# Altium PCB EBAZ4205.PcbDoc (part 5 of 6)
Units mm, origin at the board's own origin, x right, y up, seen from the top; angles counter-clockwise.
Board outline 100.3 x 97 mm, 4 copper layers (Top Layer, MidLayer1, MidLayer2, Bottom Layer); 565 components, 392 nets, 1912 pads, 1242 vias.
Unrouted connection lines stored in the file: 7.
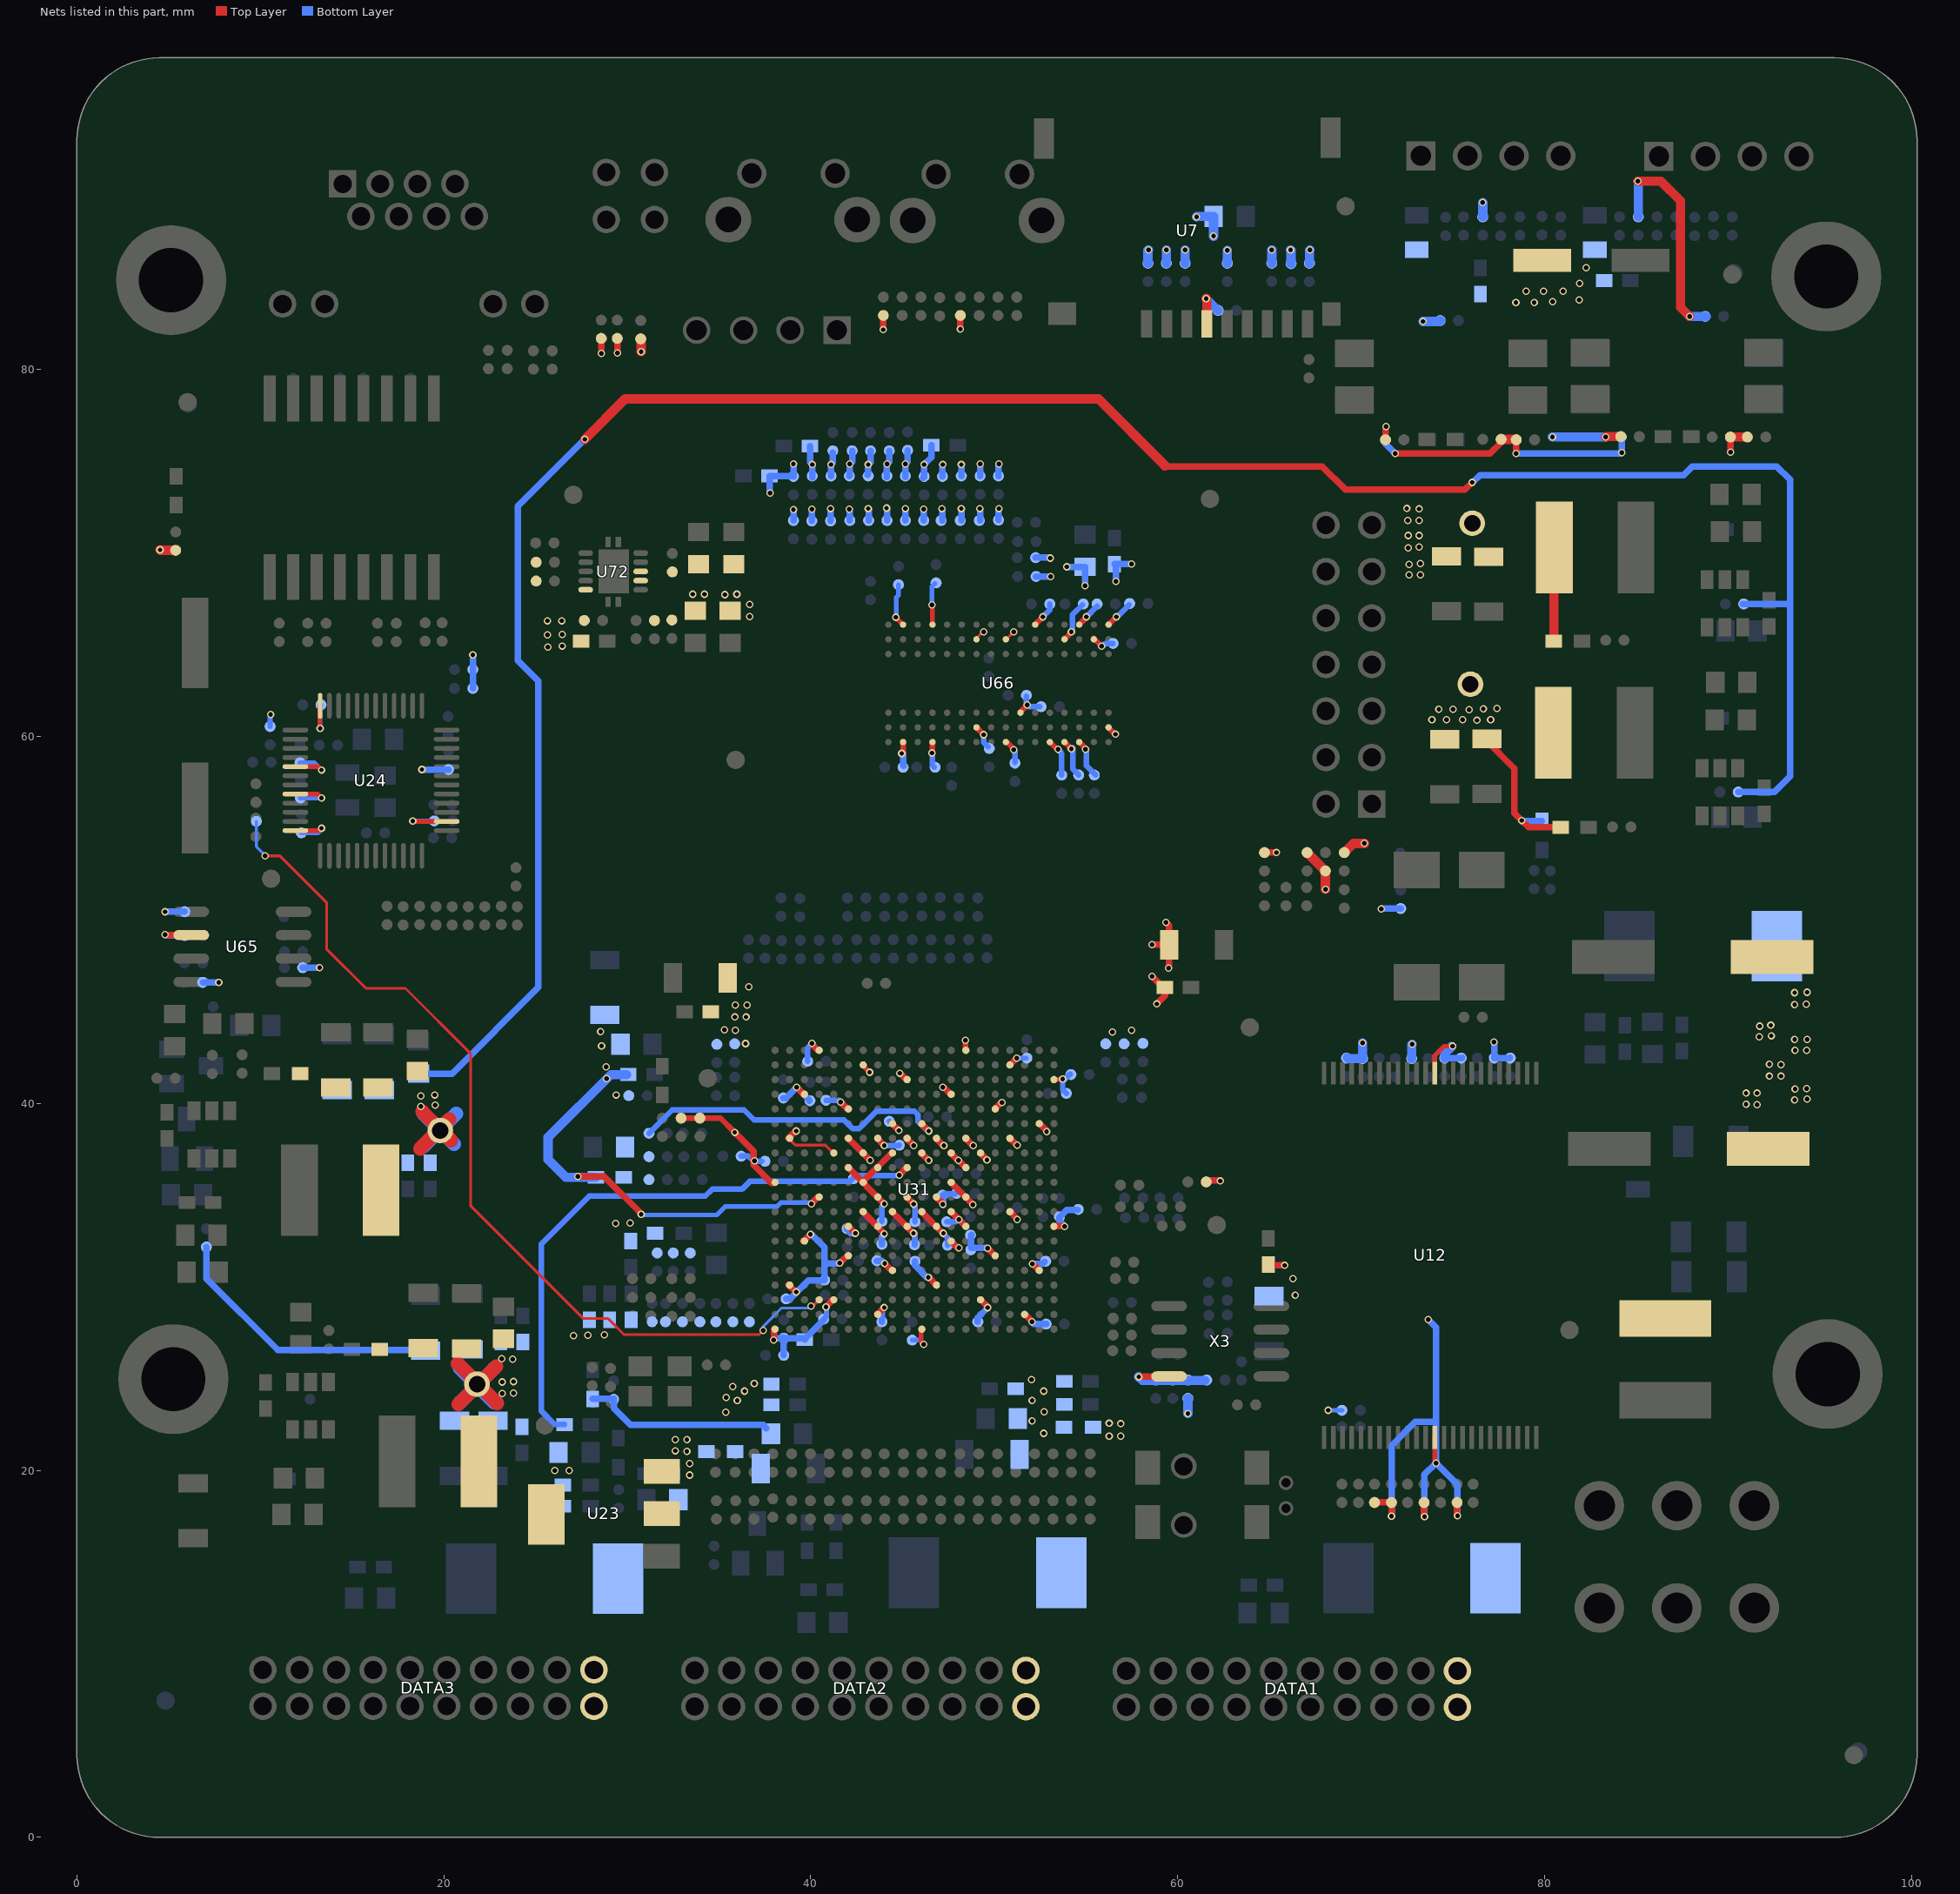
[diagram p7: the nets of this part, all layers, seen from the top]

## Via types
v1: diameter 0.406, hole 0.254, Top Layer to Bottom Layer, 1172 vias
v2: diameter 0.406, hole 0.254, Top Layer to Bottom Layer, tented both sides, 70 vias

## Nets (pads, with @x,y where several pads share a name; then routed paths per layer and width w, separated by ;. In a path a pad name is that pad's centre, name@x,y a point inside that pad or via, vN(x,y) a via of type N, cw(c..) or ccw(c..) an arc to the next point about the centre after c; other vN are vias at no path point) (continued)
VCC: C93.2 C94.2 C147.1 C289.2 C290.2 C367.1 C369.1 C370.1 C374.1 C379A.2 C665.1 C666.2 C667.1 C668.2 C669.2 C670.1 C671.2 C672.2 C673.1 C674.2 C845.2 C846.2 C1887.1 C2343.2 C2394.1 C2398.1 FB15.1 FB16.2 L7.1 L113.1 R36.2 R38.2 R45.1 R46.1 R47.1 R160.2 R161.2 R162.2 R163.2 R164.2 R165.2 R166.2 R245.1 R247.1 R1279.1 R1333.1 R1344.2 R1358.2 R1359.2 R1360.2 R1361.2 R1379.1 R1408.1 R1500.2 R1502.2 R1503.2 R1507.2 R1948.1 R1950.1 R1995.2 R2336.2 R2391.1 R2430.2 R2432.2 R2460.2 R2469.1 R2470.1 R2539.1 R2546.1 R2548.1 R2551.1 R2577.2 R2578.1 R2579.2 R2580.2 R2581.1 R2582.2 R2583.2 R2602.1 R2617.1 R2619.1 R2641A.1 R2647.1 R3555.1 TP1.1 U7.4 U12.12 U12.37 U23.3 U24.14 U24.36 U24.41 U24.44 U24.48 U31.A13 U31.B6 U31.B16 U31.D7 U31.D12 U31.E15 U31.M6 U31.T8 U31.U11 U31.W7 U31.Y10 U65.2 U72.10 | length 151.6
  Top Layer w0.152: U31.W7@38.785,38.113 39.168,37.731 40.806,37.731 U31.T8@41.206,37.331
  Top Layer w0.254: U24.48@11.881,54.881 13.206,54.881 v1(13.331,55.006) ; U24.44@11.881,56.871 13.115,56.871 v1(13.331,56.656) ; U24.41@11.881,58.365 13.147,58.365 v1(13.331,58.181) ; U24.36@13.231,61.681 13.231,60.481 v1(13.256,60.456) ; v1(18.306,55.406) 18.333,55.378 U24.14@20.131,55.378 ; U12.37@74.02,21.806 74.02,20.466 v1(74.081,20.406) ; U12.12@74.02,41.656 74.02,42.62 74.531,43.131 v1(74.981,43.131)
  Top Layer w0.305: R1500.2@32.931,39.206 35.081,39.206 v1(35.856,38.431)
  Top Layer w0.356: v1(4.806,49.206) 4.831,49.181 U65.2@6.231,49.181 ; v2(27.306,36.031) 28.731,36.031 30.756,34.006 v1(30.756,33.956) ; v1(28.581,80.881) R45.1@28.581,81.706 ; v1(29.456,80.906) R46.1@29.456,81.706 ; v1(35.856,38.431) 36.881,37.406 36.881,36.656 37.856,35.681 U31.Y10@38.031,35.681 ; U31.W7@38.785,38.113 39.177,38.506 v1(39.206,38.506) ; v1@40.056,34.531 40.056,34.582 U31.U11@40.393,34.919 ; v1(43.956,82.181) R2647.1@43.956,82.956 ; U31.M6@44.412,38.912 44.794,38.531 v1(44.806,38.531) ; v1(48.156,82.206) R2641A.1@48.156,82.956 ; v1@49.656,32.081 50.012,31.724 U31.E15@50.04,31.724 ; U31.D12@50.844,34.12 51.256,33.708 v1@51.256,33.706 ; U31.D7@50.844,38.113 51.252,37.706 v1@51.256,37.706 ; v1@52.081,31.281 52.436,30.925 U31.B16@52.452,30.925 ; U31.B6@52.452,38.912 52.831,38.533 v1@52.831,38.531 ; U31.A13@53.256,33.321 53.822,33.321 53.831,33.331 53.833,33.328 v1(53.833,33.307) ; R2430.2@61.556,35.806 62.306,35.806 v1(62.331,35.781) ; R36.2@64.731,53.681 v1(65.381,53.681) ; C670.1@64.931,31.231 64.981,31.181 v1(65.831,31.181) ; R2581.1@70.731,18.256 R2578.1@71.706,18.256 ; R2548.1@71.331,76.181 71.331,76.881 v1(71.356,76.906) ; v1(71.656,17.506) R2578.1@71.656,18.256 ; R247.1@73.431,18.256 73.431,17.506 v1(73.456,17.481) ; R245.1@75.231,18.256 75.231,17.556 v1(75.256,17.531) ; C289.2@76.731,59.881 78.356,58.256 78.356,55.831 v1(78.756,55.431) 79.131,55.056 R1333.1@80.881,55.056
  Top Layer w0.508: v1(4.531,70.181) 4.556,70.156 R47.1@5.381,70.156 ; v1(30.756,80.981) R1379.1@30.756,81.631 ; v1(61.556,83.881) 61.596,83.84 U7.4@61.596,82.506 ; R1507.2@67.056,53.681 R2602.1@68.056,52.681 v1(68.056,51.681) ; R38.2@69.081,53.681 69.581,54.181 v1(70.181,54.181) ; v1(83.331,76.331) 83.356,76.356 R2546.1@84.156,76.356 ; v1(85.081,90.281) 86.331,90.281 87.406,89.206 87.406,83.406 v1(87.906,82.906)
  Bottom Layer w0.254: C369.1@12.156,58.581 12.931,58.581 v1(13.331,58.181) ; C370.1@12.181,56.656 13.356,56.656 v1@13.381,56.681 ; C374.1@12.231,54.756 13.131,54.756 v1@13.281,54.906 ; v1(13.256,60.456) 13.256,61.681 C367.1@13.306,61.731 ; v1(18.306,55.406) C379A.2@19.456,55.406 ; v1@30.731,33.931 34.881,33.931 35.337,34.387 38.162,34.387 38.381,34.606 39.931,34.606 v1@40.056,34.481 ; v1(68.206,23.281) R2577.2@68.956,23.281
  Bottom Layer w0.305: R1995.2@10.531,60.556 10.531,61.181 v1(10.556,61.206) ; C667.1@36.206,37.131 36.606,37.131 36.881,36.856 C668.2@37.331,36.856 ; R1502.2@44.281,39.031 44.306,39.031 v1(44.806,38.531)
  Bottom Layer w0.356: v1(4.806,49.206) 4.856,49.156 C1887.1@5.881,49.156 ; v1(4.806,50.456) R2336.2@5.881,50.456 ; R1948.1@6.856,46.606 v1(7.731,46.606) ; R1950.1@12.306,47.406 v1(13.231,47.406) ; v1(18.806,58.206) R1408.1@20.256,58.206 ; R2470.1@21.581,62.631 v1(21.581,64.456) ; R2539.1@48.756,32.856 48.731,32.831 48.731,32.131 49.556,32.131 49.606,32.081 v1(49.633,32.107) ; v1(52.081,31.256) 52.631,31.256 C674.2@52.756,31.381 ; v1(53.833,33.307) 53.833,33.328 53.556,33.606 53.556,33.806 53.956,34.206 C671.2@54.556,34.206 ; v1(71.106,50.606) 71.131,50.631 R2391.1@72.156,50.631 ; v1(71.656,17.506) 71.656,21.356 72.956,22.656 73.981,22.656 ; v1(73.456,17.481) 73.456,19.781 v1(74.081,20.406) 74.081,27.806 v1(73.656,28.231) ; v1@74.131,20.356 75.256,19.231 v1(75.256,17.531) ; R2582.2@74.556,42.481 75.481,42.481 R1359.2@75.506,42.506 ; v1(77.231,43.356) 77.256,43.331 R2583.2@77.256,42.481 78.081,42.481 R1358.2@78.106,42.506 ; v1(78.756,55.431) 78.781,55.406 L113.1@79.856,55.406
  Bottom Layer w0.508: R2460.2@28.281,35.981 26.656,35.981 25.681,36.956 25.681,38.156 29.106,41.581 C666.2@29.956,41.581 ; R165.2@58.381,85.806 58.381,86.506 v1(58.406,86.531) ; R164.2@59.381,85.806 v1(59.381,86.531) ; R163.2@60.406,85.806 v1(60.406,86.531) ; v1(60.556,23.106) R1279.1@60.556,23.931 ; v1(61.031,88.331) 61.056,88.356 C93.2@61.956,88.356 v1(61.956,87.281) ; v1@61.581,83.831 62.181,83.231 C94.2@62.206,83.231 ; R162.2@62.706,85.806 v1(62.706,86.506) ; R161.2@65.131,85.806 v1(65.131,86.531) ; v1(66.156,86.531) 66.181,86.506 R160.2@66.181,85.781 ; R166.2@67.181,85.806 67.181,86.506 v1(67.206,86.531) ; R1360.2@69.256,42.506 69.306,42.456 R2579.2@70.081,42.456 v1(70.081,43.306) ; R2580.2@72.756,42.456 72.756,43.206 v1(72.781,43.231) ; v1(73.381,82.631) 74.256,82.631 R3555.1@74.306,82.681 ; R2582.2@74.556,42.481 74.556,42.731 v1@74.931,43.106 ; R1361.2@76.631,88.331 v1(76.631,89.106) ; v1(80.431,76.331) v1(83.331,76.331) ; v1(85.081,90.281) 85.106,90.256 R1344.2@85.106,88.331 ; v1(87.906,82.906) 88.781,82.906 R2551.1@88.806,82.881
  other v1: 33.397,19.75 33.397,20.375 33.247,21.049 32.622,21.074 32.622,21.674 33.247,21.674 56.266,21.874 56.891,21.874 56.891,22.549 56.266,22.574 66.413,29.547 66.289,30.447 51.256,33.681 40.031,34.531 51.258,37.733 52.856,38.474 29.398,40.47 28.873,41.369 28.848,41.994 28.598,43.144 28.548,43.919 76.311,60.889 73.862,60.914 74.661,60.914 75.536,60.914 77.061,60.914 75.886,61.464 74.236,61.489 75.011,61.489 76.661,61.514 77.411,61.539 25.674,64.888 26.449,64.938 25.649,65.538 26.449,65.563 25.649,66.313 26.424,66.313
  other v2: 36.931,36.881
VCC1: C2395.1 C2401.1 C2402.2 C2403.1 C2404.1 C2405.1 C2406.1 C2407.1 C2408.1 C2409.1 R2618.1 R2621.2 R2622.2 R2623.2 R2624.2 R2625.2 R2626.2 R2627.2 R2628.2 R2629.2 R2630.2 R2631.2 R2632.2 R2633.2 R2634.2 R2635.2 R2636.2 R2637.2 R2638.2 R2639.2 R2640.2 R2641.2 R2642.2 R2643.2 R2644.2 U72.3 | length 24.1
  Bottom Layer w0.356: v1(37.781,73.281) 37.756,73.306 C2404.1@37.756,74.206 39.031,74.206 R2629.2@39.056,74.181 v1(39.056,74.856) ; R2627.2@39.056,71.781 v1(39.056,72.381) ; C2403.1@39.956,75.831 39.956,74.956 v1(40.081,74.831) R2635.2@40.081,74.131 ; R2632.2@40.056,71.756 v1(40.056,72.406) ; R2637.2@41.081,71.756 v1(41.081,72.431) ; R2625.2@41.106,74.206 v1(41.106,74.831) 41.206,74.931 C2406.1@41.206,75.481 ; v1(42.106,72.406) 42.131,72.381 R2633.2@42.131,71.781 ; R2622.2@42.106,74.206 42.131,74.231 v1(42.131,74.856) 42.256,74.981 C2407.1@42.256,75.581 ; R2644.2@43.106,74.281 43.131,74.306 v1(43.131,74.831) 43.256,74.956 C2405.1@43.256,75.581 ; v1(43.131,72.431) 43.156,72.406 R2631.2@43.156,71.781 ; v1(44.131,72.456) 44.156,72.431 R2630.2@44.156,71.781 ; R2634.2@44.131,74.156 44.131,74.831 v1(44.156,74.856) 44.281,74.981 C2408.1@44.281,75.581 ; R2626.2@45.156,71.781 v1(45.156,72.431) ; R2628.2@45.156,74.156 v1(45.156,74.856) 45.281,74.981 C2409.1@45.281,75.606 ; R2623.2@46.131,74.106 46.181,74.156 v1(46.181,74.831) 46.581,75.231 C2402.2@46.581,75.881 ; R2624.2@46.156,71.781 v1(46.156,72.406) ; v1(47.156,72.431) 47.181,72.406 R2621.2@47.181,71.781 ; R2636.2@47.181,74.181 47.181,74.806 v1(47.206,74.831) ; R2638.2@48.206,71.781 v1@48.206,72.431 ; R2643.2@48.206,74.206 v1@48.206,74.831 ; v1(49.206,72.431) 49.231,72.406 R2642.2@49.231,71.781 ; R2641.2@49.231,74.206 v1(49.231,74.856) ; R2640.2@50.231,71.806 50.231,72.406 v1(50.256,72.431) ; R2639.2@50.231,74.206 50.231,74.831 v1(50.256,74.856)
  other v1: 48.206,72.431 48.206,74.831
VCC6: C68.1 C538.1 R1279.2 R2440.2 X3.8 | length 5.3
  Top Layer w0.356: v1(57.881,25.106) 57.906,25.131 X3.8@59.531,25.131
  Bottom Layer w0.508: v1(57.881,25.106) 58.081,24.906 R2440.2@61.481,24.906
VCC8: C661.1 C662.2 D24.1 EC2.1 EC5.1 EC6.1 L9.2 L11.2 L37.2 R2350.1 R2544.2 R2545.1 R2547.1 R2549.2 R2556.1 | length 17.1
  Top Layer w0.356: v1(71.856,75.431) 77.031,75.431 77.631,76.031 R2549.2@77.631,76.206 ; v1(78.456,75.431) R2547.1@78.456,76.181 ; v1(90.131,75.506) R2544.2@90.131,76.331
  Top Layer w0.508: R2549.2@77.631,76.206 R2547.1@78.481,76.206 ; R2544.2@90.131,76.331 90.981,76.331 R2545.1@91.031,76.381
  Bottom Layer w0.356: R2556.1@71.331,76.181 71.331,75.956 v1@71.831,75.456 ; v1(78.456,75.431) 84.181,75.431 84.206,75.456 R2350.1@84.206,76.331
  other v1: 91.582,39.945 90.982,39.97 93.632,40.195 94.306,40.245 90.982,40.569 91.582,40.569 93.657,40.794 94.281,40.819 92.257,41.494 92.882,41.494 92.882,42.119 92.257,42.144 93.657,42.894 94.281,42.894 93.632,43.494 94.306,43.494 91.707,43.644 92.357,43.694 91.732,44.219 92.332,44.269 93.632,45.393 94.256,45.418 93.632,46.043 94.306,46.068 84.209,75.486 78.435,83.658 79.435,83.658 80.435,83.708 81.885,83.808 78.985,84.283 79.935,84.283 81.01,84.283 81.91,84.708 82.259,85.558
VCC-DATA1: D21.1 DATA1.1 DATA1.2
VCC-DATA2: D22.1 DATA2.1 DATA2.2
VCC-DATA3: D23.1 DATA3.1 DATA3.2
VCC-DDR: C390.2 C392.2 C1985.2 C2250.2 C2269.1 C2280.1 C2288.2 C2291.2 C2292.1 C2293.1 C2294.1 C2295.2 C2296.1 C2297.2 C2298.1 C2299.2 C2300.1 C2303.2 C2367.1 C2368.1 C2369.1 C2370.1 C2371.1 C2372.1 C2373.2 C2374.1 C2375.1 C2376.1 C2377.2 C2378.1 C2379.1 C2381.2 C2382.1 C2383.1 C2396.2 C2397.2 C2399.1 L32.1 R1417.1 R2159.2 R2457.1 R2458.2 R2537.2 R2615.2 TP2.1 U31.A3 U31.D2 U31.E5 U31.G1 U31.H4 U31.L3 U31.P2 U31.R5 U31.U1 U31.V4 U66.A1 U66.A8 U66.B2 U66.C1 U66.C9 U66.D2 U66.D9 U66.E9 U66.F1 U66.G7 U66.H2 U66.H9 U66.K2 U66.K8 U66.N1 U66.N9 U66.R1 U66.R9 U72.2 | length 53.6
  Top Layer w0.152: U66.K2@49.031,65.356 49.381,65.706 v1@49.456,65.706 ; U66.H2@50.631,65.356 50.706,65.356 v1(51.056,65.706)
  Top Layer w0.254: U31.P2@42.799,42.113 v1@43.2,41.712 ; v1@44.606,66.506 v1(44.631,66.506) U66.R1@45.031,66.106 ; v1(46.606,67.181) 46.631,67.156 46.631,66.684 U66.N1@46.631,66.106 ; U31.A3@53.256,41.308 53.708,41.308 v1(53.731,41.331)
  Top Layer w0.305: v1(44.958,59.084) 45.028,59.084 45.031,59.081 U66.R9@45.031,59.706 ; v1(46.608,59.109) 46.628,59.109 46.631,59.106 U66.N9@46.631,59.706 ; v1@48.431,43.456 48.432,43.454 U31.G1@48.432,42.906 ; U66.K8@49.031,60.481 49.056,60.481 v1(49.431,60.106) ; U66.H9@50.631,59.706 50.681,59.706 v1@51.056,59.331 ; U66.G7@51.431,61.306 51.431,61.356 v1(51.806,61.731) ; U66.F1@52.231,66.106 v1(52.656,66.531) ; U66.E9@53.031,59.706 v1@53.431,59.306 ; U66.D9@53.831,59.706 v1@54.206,59.331 ; U66.D2@53.831,65.356 53.881,65.356 v1@54.231,65.706 ; U66.C9@54.631,59.706 55.031,59.306 v1@55.056,59.306 ; U66.C1@54.631,66.106 55.031,66.506 v1(55.031,66.531) ; U66.B2@55.431,65.356 55.806,64.981 v1@55.806,64.931 ; U66.A8@56.231,60.481 56.581,60.131 v1(56.606,60.131) ; U66.A1@56.231,66.106 v1(56.656,66.531)
  Top Layer w0.356: v1(39.231,40.881) 39.589,40.523 U31.V4@39.589,40.51 ; v1(40.056,43.281) 40.056,43.242 U31.U1@40.393,42.906 ; v1(41.631,40.081) U31.R5@42.001,39.711 ; v1(43.206,41.706) v1@43.231,41.706 ; v1(44.856,41.656) 44.869,41.656 U31.L3@45.216,41.308 ; v1@47.281,40.856 47.627,40.51 U31.H4@47.628,40.51 ; U31.E5@50.04,39.711 50.385,40.056 v1(50.431,40.056) ; U31.D2@50.844,42.107 51.218,42.481 v1(51.231,42.481) ; v1(58.606,46.931) 59.206,46.331 C2269.1@59.306,46.331 59.306,45.881 v1(58.856,45.431) ; v1(58.606,48.656) C2294.1@59.531,48.656 ; v1(59.356,49.881) 59.531,49.706 C2294.1@59.531,48.656 ; v1(59.506,47.381) 59.531,47.406 C2294.1@59.531,48.656
  Top Layer w0.508: R1417.1@80.506,65.206 80.506,68.456 L32.1@80.556,68.506
  Bottom Layer w0.254: v1@44.656,66.506 44.656,67.581 44.781,67.706 C2382.1@44.781,68.281 ; v1(46.606,67.181) 46.606,68.181 C2376.1@46.781,68.356 ; v1(51.231,42.481) C2293.1@51.756,42.481
  Bottom Layer w0.305: C2299.2@39.831,42.306 39.831,43.031 v1@40.106,43.306 ; C2298.1@40.831,40.181 41.531,40.181 v1(41.631,40.081) ; v1(46.608,59.109) 46.628,59.109 46.631,59.106 46.631,58.431 C2375.1@46.731,58.331 ; v1(49.431,60.106) 49.431,59.681 C2368.1@49.656,59.456 ; v1(51.056,59.281) 51.131,59.206 C2378.1@51.131,58.606 ; C2300.1@51.756,62.206 51.756,61.781 v1(51.806,61.731) 51.906,61.631 C2250.2@52.481,61.631 ; v1@52.581,66.456 53.031,66.906 C2369.1@53.031,67.231 ; v1@53.406,59.356 53.681,59.081 C2372.1@53.681,57.906 ; R2457.1@53.931,40.556 53.731,40.756 53.731,41.206 54.131,41.606 C2291.2@54.156,41.606 ; v1@54.256,65.706 54.256,66.631 C2371.1@54.806,67.181 ; v1@54.281,59.381 54.281,58.231 C2367.1@54.606,57.906 ; v1@55.031,59.331 55.031,58.406 C2379.1@55.531,57.906 ; v1(55.031,66.531) C2381.2@55.606,67.106 ; v1@55.931,64.956 56.056,65.081 C2373.2@56.481,65.081 ; v1(56.656,66.531) 56.706,66.531 C2377.2@57.356,67.181
  Bottom Layer w0.356: C2296.1@38.506,40.306 38.656,40.306 v1(39.231,40.881) 39.931,40.181 C2280.1@39.931,40.156 ; v1(44.958,59.084) 45.028,59.084 45.031,59.081 45.031,58.431 C2374.1@45.056,58.406 ; C2383.1@52.256,69.756 53.031,69.756 v1(53.056,69.731) ; R2537.2@52.281,68.731 v1(53.081,68.731) ; v1(53.956,69.256) C2370.1@54.956,69.256 v1(54.956,68.231) ; v1(56.631,68.456) 56.631,69.331 C2292.1@56.556,69.406 v1(57.481,69.406)
  other v1: 47.206,40.881 36.446,43.269 48.431,43.456 56.441,43.894 35.896,43.994 57.491,43.994 35.296,44.019 35.871,44.718 36.471,44.718 35.896,45.368 36.521,45.368 36.621,46.368 53.481,59.306 54.981,59.306 54.206,59.331 55.856,64.931 49.431,65.706 54.206,65.706 36.671,66.538 36.671,67.213 35.321,67.738 33.572,67.763 34.197,67.763 35.971,67.763 72.612,68.812 73.237,68.812 72.612,69.387 73.237,69.437 72.562,70.287 73.162,70.337 72.562,70.962 73.162,70.962 72.537,71.786 73.162,71.786 73.162,72.411 72.487,72.436
VCCA: C82.2 C397.1 C399.1 C2337.1 C2338.1 C2339.1 C2340.2 C2341.2 C2342.1 C2344.1 C2351.1 C2352.1 C2353.2 C2354.1 C2355.1 C2356.2 FB10.2 L33.2 R1420.2 R1493.2 R2603.2 R2604.2 TP3.1 U31.F8 U31.G9 U31.H8 U31.J11 U31.K8 U31.L11 U31.M8 U31.N9 U31.N11 U31.P10 U31.R9 | length 152.4
  Top Layer w0.356: U31.R9@42.001,36.516 42.02,36.516 v1(44.006,34.531) v1@44.006,34.506 ; U31.P10@42.856,35.756 42.856,35.758 U31.M8@44.412,37.315 ; U31.L11@45.216,34.919 45.218,34.919 v1@45.631,34.506 ; U31.K8@46.02,37.315 46.43,36.906 v1(46.431,36.906) ; U31.J11@46.824,34.919 47.212,34.531 v1@47.231,34.531 ; U31.H8@47.628,37.315 48.427,36.516 U31.G9@48.432,36.516 ; U31.F8@49.236,37.315 v1(49.606,36.931) ; 59.306,74.756 59.331,74.731 67.881,74.731 69.156,73.456 75.656,73.456 v1(76.056,73.856)
  Top Layer w0.508: v1(27.681,76.206) 29.881,78.406 55.681,78.406 59.306,74.781 59.306,74.756
  Top Layer w0.762: 18.701,37.545 20.3,39.145 ; 18.826,39.57 20.4,37.995
  Bottom Layer w0.305: C2339.1@43.881,33.581 43.881,34.381 v1@44.006,34.506 ; v1@45.631,34.506 45.681,34.456 C2342.1@45.681,33.556 ; C2354.1@47.181,35.006 47.256,35.081 R1493.2@47.881,35.081
  Bottom Layer w0.356: C82.2@19.006,41.631 20.456,41.631 25.156,46.331 25.156,63.031 24.031,64.156 24.031,72.556 v1(27.681,76.206) ; C2354.1@47.156,34.906 47.231,34.831 v1@47.231,34.456 ; v1@76.106,73.881 76.481,74.256 87.581,74.256 88.056,74.731 92.656,74.731 93.381,74.006 93.381,67.284 ; R2603.2@90.556,56.981 92.531,56.981 93.381,57.831 93.381,67.284 ; R2604.2@90.806,67.231 93.327,67.231 93.381,67.284
  Bottom Layer w0.762: 18.876,37.645 20.675,39.445 ; 18.876,39.47 20.55,37.795
  other v1: 29.373,33.471 30.148,33.496 47.206,34.506 45.616,34.521 18.751,39.845 19.525,39.92 18.751,40.42 19.5,40.47
  other v2: 48.045,36.898
VCCB: C663.1 R1494.2 R1495.2 R1496.2 R2460.1 U31.K6 | length 17.6
  Top Layer w0.356: U31.K6@46.02,38.912 46.427,38.506 v1(46.431,38.506)
  Bottom Layer w0.305: R1496.2@31.181,38.381 32.456,39.656 36.356,39.656 36.906,39.106 41.806,39.106 42.281,38.631 42.631,38.631 43.585,39.585 44.51,39.585 44.514,39.581 45.047,39.581 45.051,39.585 45.652,39.585 45.852,39.385 45.852,39.01 v1@46.256,38.606
VCCE: C363.2 C2305.2 C2306.2 C2307.1 C2308.2 C2309.2 C2310.1 C2312.2 C2313.1 C2314.1 C2365.2 FB16.1 L29.2 R2540.2 U31.N19 U31.R15 U31.T18 U31.V14 U31.W17 U31.Y20 | length 25.7
  Top Layer w0.356: v2@37.998,27.111 U31.Y20@37.998,27.711 ; U31.W17@38.785,30.127 39.181,29.731 v1(39.206,29.731) ; U31.V14@39.589,32.523 39.623,32.523 v1@40.006,32.906 ; v1@40.856,28.956 41.197,29.296 U31.T18@41.197,29.328 ; v1@41.631,31.331 41.631,31.354 U31.R15@42.001,31.724 ; U31.N19@43.608,28.529 43.655,28.529 v1(44.006,28.881)
  Bottom Layer w0.305: C2308.2@40.706,28.256 40.856,28.406 v1@40.856,28.856
  Bottom Layer w0.356: L29.2@28.106,23.906 29.281,23.906 29.281,23.381 30.181,22.481 37.406,22.481 C2365.2@37.581,22.306 ; v2@38.006,27.181 38.031,27.206 C2307.1@38.531,27.206 C2309.2@39.656,27.206 ; C2307.1@38.506,27.256 38.531,27.231 C2310.1@38.531,26.281 ; C2313.1@38.656,29.356 38.881,29.356 39.881,30.356 R2540.2@40.731,30.356 ; C2309.2@39.681,27.131 39.681,27.181 C2308.2@40.731,28.231 ; v1@40.006,32.906 40.756,32.156 40.756,31.357 ; R2540.2@40.756,30.381 40.756,31.357 ; v1@41.581,31.281 40.832,31.281 40.756,31.357 ; C2314.1@43.881,28.106 43.881,28.756 v1(44.006,28.881)
  other v1: 35.371,23.174 35.996,23.824 35.396,23.974 36.396,24.324 35.746,24.574 36.921,24.749 40.831,28.906 41.581,31.306 39.981,32.881
  other v2: 37.981,27.106
VCCO: C2315.1 C2316.1 C2317.2 C2318.1 C2319.2 C2320.1 C2321.2 C2322.2 C2323.2 C2366.1 FB15.2 U31.C19 U31.F18 U31.H14 U31.J17 U31.K20 U31.M16 | length 7.9
  Top Layer w0.254: U31.K20@46.02,27.731 46.02,27.016 v1(46.156,26.881)
  Top Layer w0.356: v1(44.031,31.281) 44.386,30.925 U31.M16@44.412,30.925 ; v1@46.456,30.506 46.456,30.495 U31.J17@46.824,30.127 ; U31.H14@47.628,32.523 48.031,32.12 v1@48.031,32.106 ; U31.F18@49.236,29.328 49.656,28.908 v1@49.656,28.906 ; U31.C19@51.648,28.529 52.056,28.121 v1(52.056,28.106)
  Bottom Layer w0.254: C2317.2@45.531,27.106 45.931,27.106 v1(46.156,26.881)
  Bottom Layer w0.356: C2318.1@43.606,31.431 43.881,31.431 v1(44.031,31.281) ; C2320.1@45.681,31.406 45.681,31.181 46.331,30.531 v1@46.456,30.531 ; C2322.2@49.106,28.106 49.106,28.331 v1@49.581,28.806 ; v1@52.056,28.081 52.156,27.981 C2323.2@52.831,27.981
  other v1: 52.692,22.024 52.067,22.699 52.717,23.199 52.067,23.824 52.692,24.324 52.042,24.948 49.638,28.877 46.406,30.531 48.081,32.131
VCCP: C383.1 C385.1 C2324.1 C2325.1 C2326.1 C2327.1 C2328.2 C2329.2 C2330.1 C2331.1 C2332.2 C2333.2 C2334.2 C2335.1 C2336.2 C2345.1 C2346.1 C2347.2 C2349A.1 C2357.2 C2358.1 C2359.2 C2360.2 C2361.2 C2362.1 C2363.2 L31.2 R1373.1 R1414.2 TP4.1 U31.G7 U31.G11 U31.G13 U31.H10 U31.H12 U31.J7 U31.J13 U31.K12 U31.L7 U31.L13 U31.M12 U31.N7 U31.N13 U31.P8 U31.P12 U31.R7 U31.R13 | length 43
  Top Layer w0.356: U31.R13@42.001,33.321 42.04,33.321 v1(42.431,32.931) ; U31.R7@42.001,38.113 42.023,38.113 v1(43.231,36.906) ; U31.P12@42.805,34.12 44.006,32.919 v1(44.006,32.906) ; U31.N7@43.608,38.113 44.006,37.716 v1(44.006,37.706) ; U31.M12@44.412,34.12 v1@45.631,32.902 ; U31.L7@45.216,38.113 45.606,37.724 v1(45.606,37.706) ; U31.K12@46.02,34.12 v1@47.235,32.906 ; U31.J7@46.824,38.113 47.232,37.706 v1(47.256,37.706) ; U31.H12@47.628,34.12 48.427,33.321 U31.G13@48.432,33.321 ; U31.H10@47.628,35.717 48.815,34.531 v1@48.831,34.531 ; U31.G7@48.432,38.113 48.84,37.706 v1(48.856,37.706)
  Top Layer w0.762: 20.75,25.823 22.9,23.674 ; 20.8,23.624 22.85,25.673
  Bottom Layer w0.305: v1@44.056,37.706 44.806,37.706 C2347.2@44.831,37.731 ; v1@47.281,32.856 47.456,32.681 C2346.1@47.456,32.281 ; C2335.1@47.406,33.556 47.906,33.556 v2@48.031,33.681